# KiCad board !HDMI2USB.kicad_pcb (continued)
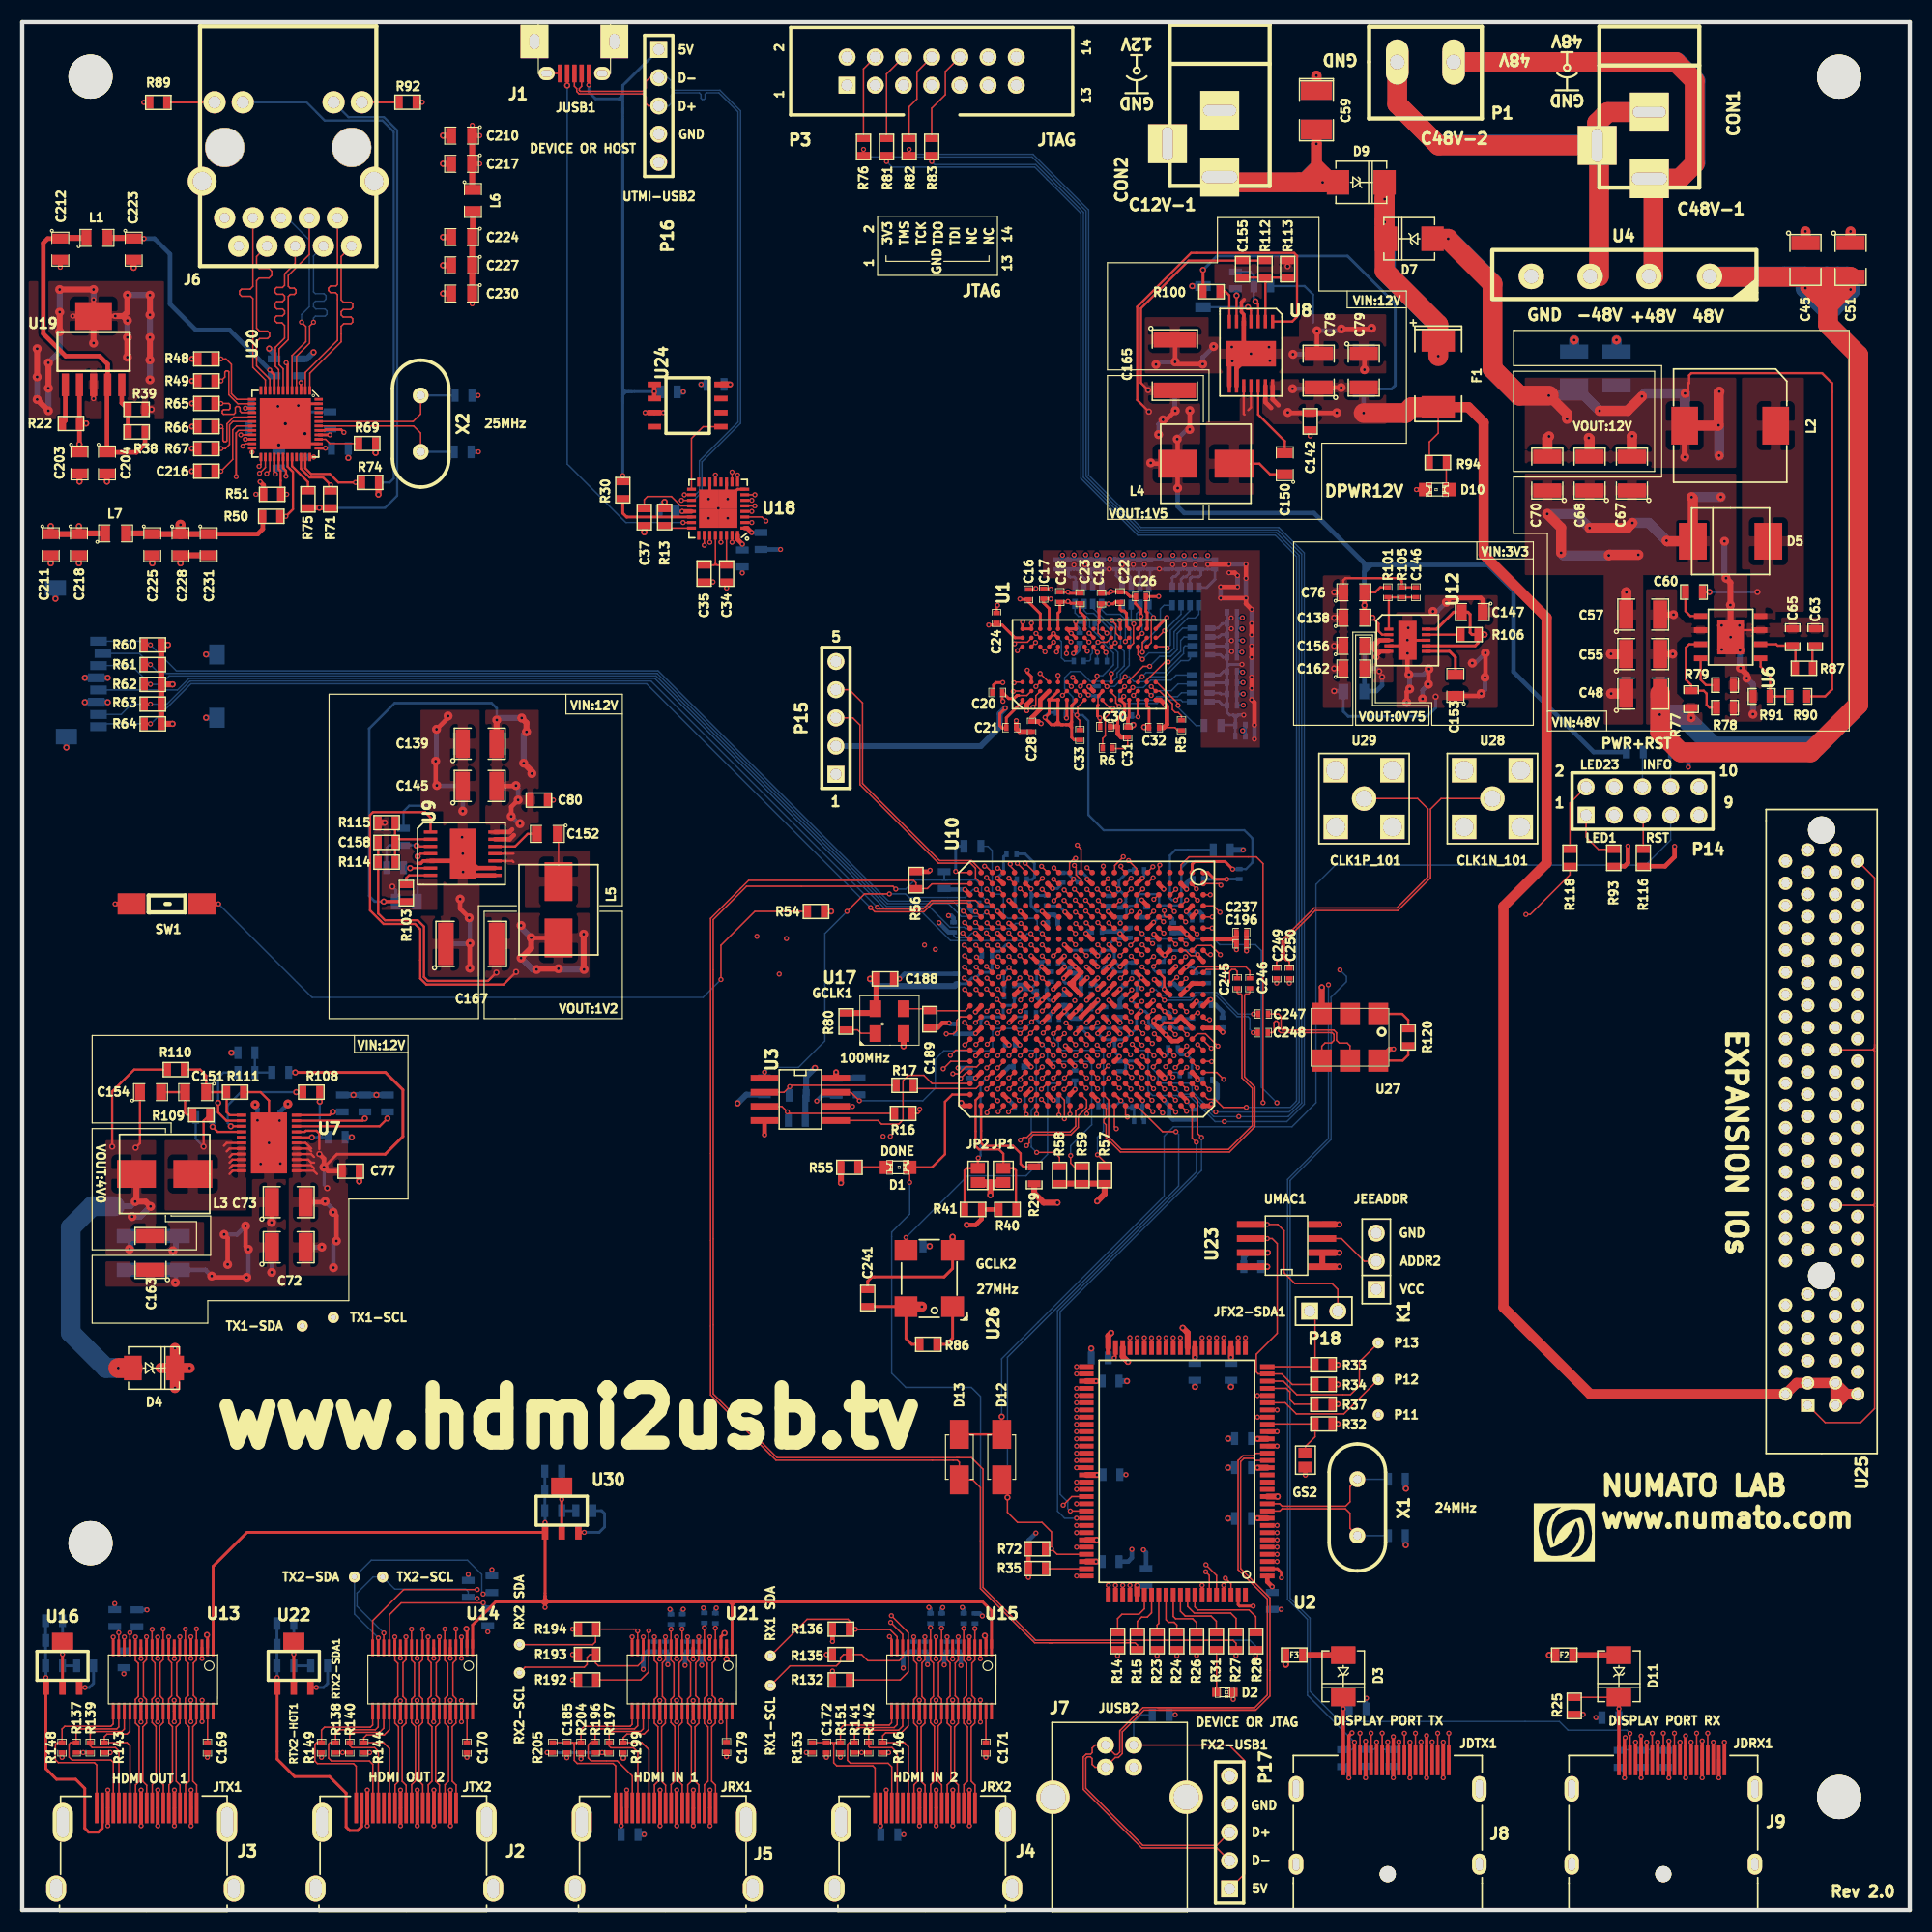
[diagram p0: board, top side]
## Routing (per net, layer and track width the routed paths; a pad name or vN(x,y) marks a point on that pad's centre or on a via; arc(x,y) is an arc through that point) (continued)
/HDMI/TMDS-RX2-1_P: length 125.3
  TOP w0.127: 60.94,17.89 60.94,16.81 60.6,16.47 60.6,11.58 60.94,11.24 60.94,9.49 ; 60.93,17.91 60.93,19.01 60.66,19.28 60.66,22.23 60.93,22.5 60.93,23.61 ; U10.N20 93.84,73.89 ; U21.7 v1(60.93,24.57)
  SIGNAL3-X w0.127: v1(93.83,73.89) 93.83,72.89 92.94,72 92.94,68.14 91.8,67 70.79,67 70.26,66.47 70.26,56.31 69.96,56.01 67.63,56.01 67.51,55.88 67.51,55.72 67.62,55.61 69.94,55.61 70.26,55.29 70.26,54.76 69.98,54.48 60.66,54.48 60.52,54.34 60.52,54.11 60.65,53.97 69.96,53.97 70.26,53.67 70.26,53.11 69.94,52.79 60.93,52.79 60.79,52.65 60.79,52.46 60.94,52.32 62.63,52.32 62.73,52.22 62.73,51.97 62.63,51.87 60.74,51.87 60.52,51.65 60.52,25.35 60.93,24.94 v1(60.93,24.57)
  BOTTOM w0.127: v1(60.93,24.57) 60.93,24.16
/HDMI/TMDS-RX2-2_N: length 125.3
  TOP w0.127: 61.44,9.49 61.44,11.26 61.76,11.58 61.76,16.47 61.43,16.81 61.43,17.9 ; 61.43,23.61 61.43,22.48 61.7,22.21 61.7,19.3 61.43,19.03 61.43,17.91 ; U21.6 61.43,25.4 ; U10.P22 v1(93.36,71.57)
  SIGNAL3-X w0.127: v1(93.37,71.57) 93.37,66.88 92.64,66.16 71.89,66.16 70.99,65.26 70.99,52.33 70.83,52.16 70.25,52.16 70.11,52.02 70.11,51.78 70.24,51.65 70.8,51.65 70.99,51.47 70.99,51.15 70.76,50.92 61.93,50.92 61.63,50.63 61.63,50.09 61.91,49.81 70.79,49.81 70.97,49.63 70.97,49.4 70.77,49.2 61.84,49.2 61.64,48.99 61.64,48.42 61.85,48.21 67.48,48.21 67.61,48.08 67.61,47.9 67.46,47.75 62.16,47.75 61.79,47.38 61.79,26.11 61.43,25.75 v1(61.43,25.4)
  BOTTOM w0.127: R198.2 61.43,25.83 v1(61.43,25.4)
/HDMI/TMDS-RX2-2_P: length 125.3
  TOP w0.127: 62.44,9.49 62.44,11.24 62.1,11.58 62.1,16.49 62.43,16.82 62.43,17.9 ; 62.43,17.91 62.43,19.03 62.16,19.29 62.16,22.23 62.43,22.5 62.43,23.61 ; U21.4 62.43,25.37 ; U10.P21 93.86,72.92 93.86,71.24
  SIGNAL3-X w0.127: v1(62.43,25.37) 62.43,25.68 62.02,26.09 62.02,47.29 62.26,47.52 67.62,47.52 67.84,47.74 67.84,48.23 67.61,48.46 61.99,48.46 61.87,48.59 61.87,48.84 61.98,48.96 70.86,48.96 71.2,49.3 71.2,49.73 70.89,50.04 62.06,50.04 61.86,50.24 61.86,50.53 62.02,50.69 70.93,50.69 71.22,50.98 71.22,65.16 71.99,65.93 92.74,65.93 93.86,67.05 93.86,69.73 ; 93.86,69.74 v1(93.86,71.24)
  BOTTOM w0.127: R188.1 62.43,25.79 v1(62.43,25.37)
/HDMI/TMDS-RX2-CEC: length 88.4
  TOP w0.127: R192.2 55.7,20.7 56.43,21.43 U21.16 56.43,25.13 ; U10.T22 91.36,71.66
  SIGNAL3-X w0.127: v1(91.36,71.66) 90.65,70.95 60.15,70.95 56.43,67.23 v1(56.43,25.13)
/HDMI/TMDS-RX2-CLK_N: length 125.3
  TOP w0.127: 56.94,9.49 56.94,11.25 57.26,11.56 57.26,16.49 56.93,16.81 56.93,17.9 ; 56.93,23.61 56.93,22.46 57.2,22.19 57.2,19.22 56.93,18.95 56.93,17.91 ; U10.L22 95.88,71.93 v1(95.88,71.68) ; U21.15 56.93,24.58
  SIGNAL3-X w0.127: v1(56.93,24.58) 56.93,24.98 57.3,25.35 57.3,63.72 57.59,64.02 65.1,64.02 65.23,64.15 65.23,64.36 65.08,64.52 57.6,64.52 57.3,64.82 57.3,67 60.73,70.43 91.5,70.43 92.24,71.16 92.24,74.26 92.28,74.31 92.28,75.15 92.6,75.46 93.43,75.46 93.57,75.6 96.79,75.6 97.36,75.03 97.36,73.77 96.99,73.4 96.48,73.4 95.88,72.8 v1(95.88,71.68)
  BOTTOM w0.127: 56.93,24.05 56.93,24.05 ; v1(56.93,24.58) R203.2
/HDMI/TMDS-RX2-CLK_P: length 125.2
  TOP w0.127: 57.94,9.49 57.94,11.21 57.59,11.57 57.59,16.47 57.93,16.81 57.93,17.9 ; 57.93,17.91 57.93,18.94 57.66,19.21 57.66,22.25 57.93,22.52 57.93,23.61 ; 96.38,74.41 v1(96.85,73.94) ; v1(57.93,24.58) U21.13
  SIGNAL3-X w0.127: v1(57.93,24.58) 57.93,24.97 57.53,25.37 57.53,63.6 57.71,63.78 66.23,63.78 66.51,64.07 66.51,64.46 66.22,64.75 57.74,64.75 57.53,64.96 57.53,66.9 60.82,70.2 62.63,70.2 62.86,69.96 62.86,69.48 63.04,69.31 63.22,69.31 63.39,69.48 63.39,70.01 63.55,70.17 63.79,70.17 63.95,70.01 63.95,69.48 64.11,69.33 64.31,69.33 64.46,69.48 64.46,70.03 64.63,70.2 91.6,70.2 92.47,71.07 92.47,74.12 92.71,74.36 93.19,74.36 93.45,74.62 93.45,75.15 93.67,75.37 96.22,75.37 96.35,75.24 96.35,74.45 v1(96.85,73.94)
  BOTTOM w0.127: 57.93,24.58 v1(57.93,24.58) 57.93,24.16 R191.1
/HDMI/TMDS-RX2-HOT: length 84.9
  TOP w0.127: v1(91.79,73.91) 92.3,74.41 ; U21.19 v1(54.93,24.58)
  SIGNAL3-X w0.127: v1(91.79,73.91) 91.43,73.91 90.97,74.37 87.69,74.37 87.37,74.04 87.37,73.51 85.5,71.64 70.08,71.64 69.39,72.33 68.53,72.33 67.84,71.64 59.86,71.64 54.93,66.71 v1(54.93,24.58)
/HDMI/TMDS-RX2-SCL: length 95.9
  TOP w0.127: P10.1 45.29,21.85 50.62,21.85 50.88,22.1 50.88,22.74 51.13,22.99 R193.2 51.64,22.23 51.89,21.97 55.45,21.97 55.93,22.46 U21.17 55.93,24.57 ; v1(90.86,72.95) 91.33,73.42
  SIGNAL3-X w0.127: v1(90.86,72.95) 89.09,71.18 60.05,71.18 55.93,67.06 v1(55.93,24.57)
/HDMI/TMDS-RX2-SDA: length 95.6
  TOP w0.127: U21.18 v1(55.43,25.11) 55.27,25.28 R194.2 51.64,24.13 51.38,23.88 P9.1 ; U10.R22 91.8,72.98
  SIGNAL3-X w0.127: 85.62,71.41 86.62,72.41 89.01,72.41 89.29,72.68 89.29,73.19 89.53,73.43 91.35,73.43 v1(91.8,72.98) ; 85.61,71.41 59.96,71.41 55.43,66.89 v1(55.43,25.11)
/HDMI/TMDS-TX1-0_N: length 125.3
  TOP w0.127: 11.71,9.49 11.71,11.27 12.05,11.61 12.05,16.51 11.7,16.86 11.7,17.9 ; 11.69,23.61 11.69,22.5 11.96,22.23 11.96,19.23 11.69,18.96 11.69,17.91 ; U13.12 v1(11.69,25.25) ; U10.Y12 v1(86.86,82.92)
  SIGNAL3-X w0.127: v1(11.69,25.25) 11.69,25.64 12.09,26.04 12.09,31.94 17.25,37.1 17.55,37.1 17.94,36.71 18.14,36.71 18.29,36.85 18.29,37.03 17.9,37.42 17.9,37.74 18.28,38.13 18.64,38.13 19.02,37.75 19.22,37.75 19.36,37.88 19.36,38.05 18.96,38.45 18.96,38.81 19.29,39.13 19.66,39.13 20.05,38.75 20.22,38.75 20.38,38.9 20.38,39.07 19.98,39.46 19.98,39.83 20.29,40.13 20.29,40.33 19.9,40.72 19.9,40.86 20.05,41.01 20.2,41.01 20.6,40.62 20.77,40.62 62.56,82.4 85.98,82.4 86.5,82.92 v1(86.86,82.92)
/HDMI/TMDS-TX1-0_P: length 125.3
  TOP w0.127: 12.71,9.49 12.71,11.25 12.38,11.58 12.38,16.55 12.7,16.87 12.7,17.9 ; 12.69,17.91 12.69,18.98 12.42,19.24 12.42,22.25 12.69,22.52 12.69,23.61 ; v1(12.69,25.29) 12.69,25.29 U13.10 ; U10.W12 87.87,82.91
  SIGNAL3-X w0.127: v1(87.87,82.92) 87.42,82.92 86.66,82.16 62.64,82.16 20.89,40.41 20.89,40.24 21.06,40.07 21.06,39.89 20.94,39.78 20.73,39.78 20.58,39.92 20.4,39.92 20.22,39.74 20.22,39.56 20.61,39.16 20.61,38.81 20.32,38.51 19.95,38.51 19.57,38.9 19.38,38.9 19.2,38.72 19.2,38.54 19.6,38.15 19.6,37.79 19.31,37.5 18.94,37.5 18.55,37.89 18.37,37.89 18.15,37.67 18.15,37.5 18.52,37.12 18.52,36.75 18.24,36.47 17.85,36.47 17.49,36.84 17.31,36.84 12.32,31.84 12.32,26.05 12.69,25.67 v1(12.69,25.29)
/HDMI/TMDS-TX1-1_N: length 125.2
  TOP w0.127: v1(84.87,84.89) 85.34,84.42 ; 13.21,9.49 13.21,11.25 13.54,11.58 13.54,16.49 13.21,16.81 13.21,17.89 ; 13.19,17.91 13.19,18.99 13.46,19.26 13.46,22.25 13.19,22.52 13.19,23.61 ; U13.9 v1(13.19,24.58)
  SIGNAL3-X w0.127: v1(84.87,84.89) 85.43,84.32 87.09,84.32 87.29,84.12 87.29,83.53 87.5,83.32 88.08,83.32 88.32,83.08 88.32,82.79 88.02,82.48 87.64,82.48 86.88,81.72 85,81.72 84.68,81.41 63.54,81.41 16.87,34.74 16.87,34.55 17.1,34.32 17.1,34.15 16.97,34.02 16.79,34.02 16.58,34.24 16.37,34.24 15.84,33.71 15.47,33.71 15.25,33.49 15.25,33.12 13.55,31.42 13.55,25.46 13.2,25.1 v1(13.2,24.58)
/HDMI/TMDS-TX1-1_P: length 125.2
  TOP w0.127: 86.36,84.45 v1(85.92,84.89) ; 14.21,17.89 14.21,16.81 13.87,16.47 13.87,11.58 14.21,11.24 14.21,9.49 ; 14.19,17.91 14.19,19.01 13.92,19.28 13.92,22.23 14.19,22.5 14.19,23.61 ; U13.7 14.2,24.58
  SIGNAL3-X w0.127: v1(85.92,84.89) 86.27,84.55 87.18,84.55 87.52,84.21 87.52,83.71 87.68,83.55 88.18,83.55 88.56,83.18 88.56,82.05 88,81.49 85.09,81.49 84.78,81.18 63.64,81.18 17.99,35.53 17.99,35.35 18.22,35.12 18.22,34.96 18.1,34.85 17.96,34.85 17.74,35.07 17.52,35.07 17.17,34.71 17.17,34.57 17.33,34.42 17.33,34.05 17.07,33.79 16.7,33.79 16.55,33.93 16.39,33.93 13.78,31.32 13.78,25.48 14.2,25.06 v1(14.2,24.58)
/HDMI/TMDS-TX1-2_N: length 125.3
  TOP w0.127: 14.71,9.49 14.71,11.26 15.03,11.58 15.03,16.47 14.7,16.81 14.7,17.9 ; 14.69,23.61 14.69,22.48 14.96,22.21 14.96,19.3 14.69,19.03 14.69,17.91 ; v1(14.7,25.28) 14.69,25.28 U13.6 ; U10.AB9 v1(84.87,85.91)
  SIGNAL3-X w0.127: v1(84.87,85.91) 85.42,85.36 87.11,85.36 87.44,85.03 87.44,84.73 87.67,84.5 88.11,84.5 88.46,84.15 88.46,83.74 89.04,83.15 89.04,81.71 88.43,81.1 88.43,80.84 88.04,80.44 85.36,80.44 85.16,80.64 64.79,80.64 15.08,30.93 15.08,26.05 14.7,25.66 v1(14.7,25.28)
/HDMI/TMDS-TX1-2_P: length 125.2
  TOP w0.127: 15.71,9.49 15.71,11.24 15.37,11.58 15.37,16.49 15.7,16.82 15.7,17.9 ; 15.69,17.91 15.69,19.03 15.42,19.29 15.42,22.23 15.69,22.5 15.69,23.61 ; v1(15.69,25.3) 15.69,25.3 U13.4 ; U10.Y9 87.86,84.91
  SIGNAL3-X w0.127: v1(87.86,84.91) 88.23,84.91 88.71,84.43 89.05,84.43 89.28,84.2 89.28,80.59 89.1,80.41 88.71,80.41 88.41,80.12 88.41,79.67 88.22,79.48 84.74,79.48 83.81,80.41 64.88,80.41 15.31,30.84 15.31,28.35 15.5,28.16 16.15,28.16 16.29,28.02 16.29,27.82 16.14,27.67 15.5,27.67 15.31,27.48 15.31,26.02 15.69,25.64 v1(15.69,25.3)
/HDMI/TMDS-TX1-CEC: length 118.1
  TOP w0.127: 88.36,84.41 v1(87.95,84) ; U13.16 9.69,24.95
  SIGNAL2-Y w0.127: v1(87.95,84) 87.48,84 87.31,84.17 87.31,85.88 86.8,86.39 82.34,86.39 v1(82.24,86.49)
  SIGNAL3-X w0.127: v1(82.24,86.49) 54.94,86.49 53.67,85.22 53.67,76.91 9.69,32.94 v1(9.69,24.95)
  BOTTOM w0.127: R127.2 10.23,25.49 v1(9.69,24.95)
/HDMI/TMDS-TX1-CLK_N: length 125.3
  TOP w0.127: v1(84.84,83.91) 85.33,83.42 U10.AB11 ; 10.21,9.49 10.21,11.25 10.53,11.56 10.53,16.49 10.2,16.81 10.2,17.9 ; 10.19,23.61 10.19,22.46 10.46,22.19 10.46,19.22 10.19,18.95 10.19,17.91 ; U13.15 v1(10.19,24.57)
  SIGNAL3-X w0.127: 10.19,24.57 10.19,24.99 10.55,25.34 10.55,32.4 59.92,81.77 59.92,82.3 59.8,82.42 58.65,82.42 58.4,82.67 58.4,83.05 58.68,83.33 82.41,83.33 82.61,83.53 82.61,84.3 82.75,84.44 82.95,84.44 83.11,84.28 83.11,83.52 83.3,83.33 84,83.33 84.58,83.91 v1(84.84,83.91)
/HDMI/TMDS-TX1-CLK_P: length 125.2
  TOP w0.127: 87.36,83.42 v1(86.88,83.9) ; 11.21,9.49 11.21,11.21 10.86,11.57 10.86,16.47 11.2,16.81 11.2,17.9 ; 11.19,17.91 11.19,18.94 10.92,19.21 10.92,22.25 11.19,22.52 11.19,23.61 ; v1(11.19,24.58) U13.13
  SIGNAL3-X w0.127: v1(11.19,24.58) 11.19,24.93 10.78,25.35 10.78,32.3 60.16,81.68 60.16,82.44 59.95,82.65 58.76,82.65 58.63,82.78 58.63,82.95 58.77,83.1 84.09,83.1 84.47,83.48 86.01,83.48 86.44,83.9 v1(86.88,83.9)
/HDMI/TMDS-TX1-HOT: length 115.1
  TOP w0.127: v1(84.71,87.96) 85.25,87.42 U10.AB7 ; v1(8.19,24.56) U13.19
  SIGNAL2-Y w0.127: v1(66.17,87.67) 66.46,87.96 v1(84.71,87.96)
  SIGNAL3-X w0.127: v1(66.17,87.67) 65.85,87.35 54.76,87.35 52.97,85.56 52.97,80.65 26.79,54.47 25.11,54.47 9,38.37 9,25.87 8.19,25.06 v1(8.19,24.56)
/HDMI/TMDS-TX1-SCL: length 117.5
  TOP w0.127: 87.36,87.45 v1(86.84,87.97) ; v1(9.19,24.57) 9.19,23.6
  SIGNAL2-Y w0.127: v1(86.84,87.97) 86.51,87.97 85.89,87.35 83.98,87.35 83.52,86.89 v1(81.26,86.89)
  SIGNAL3-X w0.127: 81.26,86.89 55,86.89 53.43,85.32 53.43,78.76 P6.1 25.98,51.31 24.28,51.31 9.46,36.5 9.46,25.39 9.19,25.12 v1(9.19,24.57)
  BOTTOM w0.127: R134.2 9.16,24.53
/HDMI/TMDS-TX1-SDA: length 117.3
  TOP w0.127: 87.36,84.44 v1(86.85,84.96) ; U13.18 8.69,24.95
  SIGNAL2-Y w0.127: v1(86.85,84.96) 86.44,85.36 78.87,85.36 76.77,87.47 v1(68.83,87.47)
  SIGNAL3-X w0.127: v1(68.83,87.47) 68.48,87.12 54.86,87.12 53.2,85.46 53.2,80.56 P5.1 9.23,36.59 9.23,25.49 v1(8.69,24.95)
  BOTTOM w0.127: v1(8.69,24.95) 8.69,25.15 R130.2
/HDMI/TMDS-TX2-0_N: length 124.9
  TOP w0.127: 85.36,79.43 v1(84.87,79.93) ; U14.27 35.06,16.86 35.41,16.51 35.41,11.61 35.08,11.27 35.08,9.49 ; 35.06,17.91 35.06,18.96 35.33,19.23 35.33,22.23 35.06,22.5 35.06,23.61 ; U14.12 v1(35.06,25.28)
  SIGNAL1-X w0.127: v1(84.87,79.93) 84.45,80.34 79.79,80.34 76.12,76.68 53.14,76.68 52.27,75.8 52.27,47.42 52.1,47.26 51.21,47.26 51.1,47.15 51.1,46.98 51.22,46.86 52.11,46.86 52.27,46.7 52.27,46.5 52.09,46.31 48.45,46.31 48.17,46.04 48.17,45.68 48.45,45.4 52.14,45.4 52.27,45.27 52.27,45.09 52.12,44.94 42.02,44.94 35.42,38.33 35.42,26.16 35.06,25.8 v1(35.06,25.28)
/HDMI/TMDS-TX2-0_P: length 124.8
  TOP w0.127: 87.34,79.42 v1(86.86,79.89) ; U14.29 36.06,16.87 35.75,16.55 35.75,11.58 36.08,11.25 36.08,9.49 ; 36.06,23.61 36.06,22.52 35.79,22.25 35.79,19.24 36.06,18.98 36.06,17.91 ; U14.10 36.06,25.27
  SIGNAL1-X w0.127: v1(86.86,79.89) 86.58,79.89 86.1,79.41 82.91,79.41 82.21,80.11 79.88,80.11 76.22,76.44 53.26,76.44 52.5,75.68 52.5,46.32 52.26,46.08 48.55,46.08 48.4,45.94 48.4,45.77 48.55,45.63 52.23,45.63 52.51,45.36 52.51,44.99 52.23,44.71 42.14,44.71 35.65,38.22 35.65,26.19 36.06,25.77 v1(36.06,25.27)
/HDMI/TMDS-TX2-1_N: length 125
  TOP w0.127: v1(84.89,77.89) 85.36,78.37 U10.AB16 ; 36.57,17.89 36.57,16.81 36.9,16.49 36.9,11.58 36.57,11.25 36.57,9.49 ; 36.56,23.61 36.56,22.52 36.83,22.25 36.83,19.26 36.56,18.99 36.56,17.91 ; U14.9 v1(36.56,24.58)
  SIGNAL1-X w0.127: v1(84.89,77.89) 81.07,77.89 78.21,75.03 54.65,75.03 53.74,74.13 53.74,43.83 53.61,43.7 53.29,43.7 53.18,43.59 53.18,43.42 53.29,43.32 53.61,43.32 53.74,43.19 53.74,43 53.57,42.82 47.73,42.82 47.49,42.58 47.49,42.2 47.73,41.95 53.6,41.95 53.74,41.81 53.74,41.62 53.6,41.48 42.65,41.48 36.9,35.73 36.9,25.27 36.56,24.94 v1(36.56,24.58)
/HDMI/TMDS-TX2-1_P: length 124.9
  TOP w0.127: 86.36,78.4 v1(85.89,77.93) ; 37.57,9.49 37.57,11.24 37.23,11.58 37.23,16.47 37.57,16.81 37.57,17.89 ; 37.56,23.61 37.56,22.5 37.29,22.23 37.29,19.28 37.56,19.01 37.56,17.91 ; U14.7 v1(37.56,24.58)
  SIGNAL1-X w0.127: v1(85.89,77.93) 85.41,77.45 80.96,77.45 78.31,74.8 54.75,74.8 53.97,74.03 53.97,42.86 53.71,42.59 47.82,42.59 47.72,42.49 47.72,42.3 47.83,42.18 53.7,42.18 53.97,41.91 53.97,41.52 53.71,41.25 42.75,41.25 37.14,35.65 37.14,25.29 37.56,24.86 v1(37.56,24.58)
/HDMI/TMDS-TX2-2_N: length 123.2
  TOP w0.127: U14.33 38.06,16.81 38.4,16.47 38.4,11.58 38.08,11.26 38.08,9.49 ; 38.06,17.91 38.06,19.03 38.33,19.3 38.33,22.21 38.06,22.48 38.06,23.61 ; U14.6 v1(38.06,25.29) ; U10.U13 v1(89.87,80.91)
  SIGNAL1-X w0.127: v1(89.86,80.91) 89.38,80.43 87.63,80.43 87.38,80.18 87.38,76.74 87.12,76.48 81.62,76.48 78.68,73.54 56.25,73.54 55.34,72.64 55.34,39.81 55.19,39.65 53.22,39.65 53.03,39.46 53.03,38.86 53.22,38.67 55.13,38.67 55.27,38.54 55.27,38.3 55.13,38.17 42.15,38.17 38.46,34.48 38.46,26.19 38.06,25.79 v1(38.06,25.29)
/HDMI/TMDS-TX2-2_P: length 123
  TOP w0.127: U14.35 39.06,16.82 38.73,16.49 38.73,11.58 39.08,11.24 39.08,9.49 ; 39.06,23.61 39.06,22.5 38.79,22.23 38.79,19.29 39.06,19.03 39.06,17.91 ; U14.4 39.06,25.29 ; U10.U14 v1(89.87,79.92)
  SIGNAL1-X w0.127: v1(89.87,79.92) 89.44,79.49 88.64,79.49 88.33,79.17 88.33,76.64 87.91,76.23 81.69,76.23 78.77,73.31 56.41,73.31 55.58,72.48 55.58,40.84 55.74,40.68 56.16,40.68 56.28,40.56 56.28,40.35 56.17,40.24 55.75,40.24 55.58,40.07 55.58,39.65 55.35,39.42 53.38,39.42 53.26,39.3 53.26,39.02 53.38,38.91 55.25,38.91 55.52,38.64 55.52,38.23 55.23,37.94 42.26,37.94 38.69,34.37 38.69,26.19 39.06,25.82 v1(39.06,25.29)
/HDMI/TMDS-TX2-CEC: length 94.2
  TOP w0.127: v1(41.52,27.64) 34.14,27.64 33.06,26.56 U14.16 ; v1(83.81,75.29) 84.35,75.29 84.97,75.91 85.96,75.91 86.36,76.32 U10.AA18
  SIGNAL1-X w0.127: v1(83.81,75.29) 82.74,74.22 82.74,72.97 78.43,68.65 65.18,68.65 59.78,63.26 59.78,36.37 51.05,27.64 v1(41.52,27.64)
  BOTTOM w0.127: R126.2 41.93,27.23 v1(41.52,27.64)
/HDMI/TMDS-TX2-CLK_N: length 124.9
  TOP w0.127: v1(89.91,81.94) 90.35,82.38 ; U14.24 33.56,16.81 33.89,16.49 33.89,11.56 33.58,11.25 33.58,9.49 ; 33.56,17.91 33.56,18.95 33.83,19.22 33.83,22.19 33.56,22.46 33.56,23.61 ; U14.15 v1(33.56,24.57)
  SIGNAL1-X w0.127: v1(33.56,24.57) 33.56,24.95 33.92,25.31 33.92,40.49 41.84,48.42 50.8,48.42 51,48.61 51,48.84 50.81,49.03 49.59,49.03 49.31,49.31 49.31,49.75 49.57,50.01 50.82,50.01 51,50.19 51,77.06 51.92,77.99 75.84,77.99 79.43,81.58 89.55,81.58 v1(89.91,81.94)
/HDMI/TMDS-TX2-CLK_P: length 124.9
  TOP w0.127: v1(90.91,81.94) 91.36,82.39 U10.T12 ; U14.26 34.56,16.81 34.22,16.47 34.22,11.57 34.58,11.21 34.58,9.49 ; 34.56,23.61 34.56,22.52 34.29,22.25 34.29,19.21 34.56,18.94 34.56,17.91 ; U14.13 34.56,24.58
  SIGNAL1-X w0.127: v1(34.56,24.58) 34.56,24.9 34.15,25.31 34.15,40.39 41.94,48.18 50.89,48.18 51.23,48.52 51.23,48.94 50.91,49.26 50.07,49.26 49.95,49.38 49.95,49.65 50.08,49.78 50.93,49.78 51.23,50.07 51.23,76.91 52.07,77.75 75.93,77.75 79.53,81.35 90.32,81.35 v1(90.91,81.94)
/HDMI/TMDS-TX2-HOT: length 92.8
  TOP w0.127: v1(40.99,28.84) 34.36,28.84 31.56,26.04 U14.19 ; v1(82.95,75.74) 83.62,76.42 U10.AB18
  SIGNAL1-X w0.127: v1(82.95,75.74) 76.58,69.37 64.9,69.37 59.09,63.56 59.09,36.74 51.19,28.84 v1(40.99,28.84)
/HDMI/TMDS-TX2-SCL: length 103.4
  TOP w0.127: U10.Y17 v1(86.86,76.91) ; U14.17 32.56,24.92
  SIGNAL1-X w0.127: v1(78.19,69.66) 77.41,68.88 65.08,68.88 59.55,63.35 59.55,36.49 51.1,28.04 v1(40.98,28.04)
  SIGNAL2-Y w0.127: v1(86.86,76.91) 86.45,76.51 81.03,76.51 78.19,73.67 v1(78.19,69.66)
  BOTTOM w0.127: v1(32.57,24.93) 30.15,27.34 30.15,28.52 31.61,29.97 P4.1 33.56,28.88 39.94,28.88 40.17,28.64 R129.2 40.88,28.14 v1(40.98,28.04)
/HDMI/TMDS-TX2-SDA: length 104.6
  TOP w0.127: v1(83.59,76.95) 84.06,77.42 U10.AB17 ; U14.18 32.06,24.47
  SIGNAL1-X w0.127: 70,69.14 65.01,69.14 59.32,63.45 59.32,36.62 51.14,28.44 v1(41.51,28.44) ; 70,69.14 70,69.14 ; 70,69.14 77.02,69.14 v1(77.53,69.65)
  SIGNAL2-Y w0.127: v1(83.59,76.95) 81.14,76.95 77.53,73.34 v1(77.53,69.65)
  BOTTOM w0.127: v1(41.51,28.44) 41.51,28.43 41.5,28.43 ; v1(41.51,28.44) 41.39,28.56 41.39,30.2 40.11,31.49 31.43,31.49 P2.1 29.92,26.63 v1(32.07,24.48) ; v1(41.51,28.44) 41.64,28.57 R133.2
/Power/Conference 12V: length 122.4
  TOP w0.203: 150.05,136.33 150.05,137.49 150.13,137.49 150.13,138.19 150.33,138.39 162.1,138.39 163.01,137.48 163.01,109.92 162.37,109.28 R90.2
  TOP w0.533: v2(149.74,130.84) 149.73,130.85 L2.2
  TOP w0.914: v2(152.85,136.73) 152.78,136.66 v2(152.78,133.7) 152.75,133.67 L2.2 ; v2(145,132.72) 144.97,132.69 C67.2 ; v2(137.51,132.7) 137.35,132.54 C70.2 ; v2(141.09,132.56) 141.16,132.49 C68.2 ; v2(145.87,136.3) 144.58,135 v2(142.06,135) ; v2(137.49,136.37) 139.13,134.73 v2(139.13,134.28)
  TOP w1.778: 128.67,150.19 132.42,146.44 132.42,138.8 134.84,136.37 v2(137.49,136.37) ; D7.1 v2(128.43,150.5)
  BOTTOM w0.914: v2(152.78,133.7) 152.83,133.65 v2(152.83,130.97) ; v2(145,132.72) 144.98,132.72 ; v2(145.87,136.3) 146.14,136.56 v2(149.76,136.56) 149.75,136.56 149.75,134.31 ; v2(142.06,135) 140.69,136.37 v2(137.49,136.37)
  BOTTOM w1.778: v2(137.49,136.37) 134.83,136.37 132.41,138.79 132.41,146.52 v2(128.43,150.5) D7.1
/Power/Consumer 12V: length 47.5
  TOP w0.914: v2(117.12,155.58) 116.56,156.13 v2(116.56,159.05) ; 115,155.58 116.56,157.14 v2(116.56,159.05) ; 118.32,155.58 116.56,157.34 v2(116.56,159.05) ; v2(116.56,159.05) C59.2
  TOP w1.778: 108.33,155.58 v2(117.12,155.58) 118.32,155.58
  BOTTOM w0.914: v2(116.56,159.05) C61.2 ; v2(116.56,159.05) 116.56,157.11 118.09,155.58 118.32,155.58 ; v2(116.56,159.05) 116.56,156.13 ; v2(116.56,159.05) 116.56,157.2 114.94,155.58 ; 116.56,156.13 v2(117.12,155.58) 116.56,156.13
  BOTTOM w1.778: 108.33,155.58 v2(117.12,155.58) 118.32,155.58
/SPI_Flash/27MHz: length 26.4
  TOP w0.127: U10.N19 v1(93.87,74.92) ; U26.3 v1(79.59,60.55)
  BOTTOM w0.127: C244.2 79.6,60.54 v1(79.59,60.55) 85.15,66.1 90.41,66.1 92.34,68.04 92.34,74.13 92.65,74.44 93.39,74.44 v1(93.87,74.92)
/SPI_Flash/RST: length 107.2
  TOP w0.127: v3(88.21,44.41) 88.21,42.83 D12.2
  TOP w0.203: D13.2 D12.2
  BOTTOM w0.127: P14.7 148.47,96.35 146.2,94.08 118.26,94.08 116.52,92.34 116.52,72.69 114.35,70.52 103.69,70.52 102.84,69.68 102.84,64.26 88.21,49.62 v3(88.21,44.41)
/SPI_Flash/TDO-FPGA/TDO-JTAG: length 201.6
  TOP w0.127: v1(99.97,77.95) 100.37,77.55 U10.G17 ; R14.2 98.65,22.89 ; R82.2 v1(79.88,158.54)
  SIGNAL1-X w0.127: v1(108.26,70.99) 110.07,69.18 110.07,53.01 113.89,49.19 113.89,25.54 112.51,24.16 99.41,24.16 98.65,23.41 v1(98.65,22.89)
  BOTTOM w0.127: v1(79.88,158.54) 79.88,158.36 80.13,158.11 91.04,158.11 96.04,153.11 96.04,129.21 100.76,124.49 113.17,124.49 115.46,122.2 115.46,72.56 113.9,70.99 v1(108.26,70.99) 107.43,70.99 105.2,73.22 104.14,73.22 104.03,73.33 101.81,73.33 101.4,73.75 101.4,77.11 101.1,77.41 100.51,77.41 v1(99.97,77.95)
/SPI_Flash/TDO-USB/TDI-FPGA: length 191.8
  TOP w0.127: R83.2 v1(81.91,157.46) ; R23.2 102.21,22.89 ; U10.E18 101.86,75.92
  SIGNAL1-X w0.127: v1(107.49,71.85) 108.5,71.85 110.3,70.06 110.3,53.1 114.12,49.28 114.12,25.45 112.6,23.93 102.73,23.93 102.21,23.41 v1(102.21,22.89)
  BOTTOM w0.127: v1(81.91,157.46) 82.18,157.18 91.28,157.18 95.58,152.89 95.58,129.01 100.56,124.03 112.95,124.03 115,121.98 115,72.75 114.11,71.85 v1(107.49,71.85) 107.22,71.85 105.36,73.71 105.36,74.17 105.08,74.45 102.52,74.45 102.3,74.67 102.3,75.26 101.86,75.69 v1(101.86,75.92)
/USB/CPEN: length 7.7
  TOP w0.127: U24.5 61.33,133.57 60.28,132.52 U18.17
/USB/CYDN: length 73.6
  TOP w0.127: P17.2 107.59,5.57 100.84,5.57 95.56,10.85 95.56,13.75 95.82,14.01 96.23,14.01 96.37,14.16 96.37,14.57 96.63,14.84 J7.2 98.42,13.98 98.62,13.98 98.85,14.2 98.85,16.12 100.94,18.22 110.94,18.22 ; 110.94,18.22 111.01,18.22 112.14,19.35 112.14,28 109.5,30.64 109.5,40.45 109.93,40.89 110.87,40.89 111.09,41.12 U2.18 ; 110.94,18.22 102.22,18.22
/USB/CYDP: length 73
  TOP w0.127: 111.1,17.99 111.1,17.99 112.37,19.26 112.37,28.09 109.73,30.73 109.73,40.36 110.03,40.66 110.87,40.66 111.06,40.47 U2.17 ; 111.1,17.99 102.31,17.99 ; 111.1,17.99 101.04,17.99 99.08,16.03 99.08,14.07 98.73,13.72 98.45,13.72 J7.3 96.62,12.84 96.36,13.1 96.36,13.62 96.2,13.78 95.93,13.78 95.79,13.64 95.79,10.95 100.93,5.81 107.58,5.81 P17.3
/USB/ID: length 48.5
  TOP w0.127: U18.23 v1(59.52,124.94)
  TOP w0.203: J1.4 v3(49.08,164.3)
  BOTTOM w0.127: v1(59.52,124.94) 54.36,124.94 49.08,130.22 v3(49.08,164.3)
/USB/U1-SDA: length 9.4
  TOP w0.127: P18.1 116.43,53.44 R33.1 116.26,48.92 U2.30
/USB/USB_5V: length 78
  TOP w0.127: v1(56.93,136.73) 56.93,136.73 ; 56.93,136.73 U24.2 56.93,136.11 ; 56.93,136.73 U24.1 56.93,137.38
  TOP w0.254: R30.2 v1(54.09,129.16) ; J1.1 v1(51.03,164.35)
  TOP w0.406: 56.93,137.38 v1(56.93,136.73) 56.93,136.11
  BOTTOM w0.127: 57.45,136.73 C240.1
  BOTTOM w0.254: v1(56.93,136.73) 54.9,136.73 ; 54.09,136.95 54.09,136.96 ; 54.09,136.95 54.32,136.73 54.61,136.73 ; 54.09,136.95 54.09,136.43 ; 54.09,136.96 54.09,161.29 ; 54.09,136.96 54.09,161.29 54.09,161.29 ; 54.09,135.79 v1(54.09,129.16) ; 54.09,135.79 54.09,136.43 ; 54.09,135.79 54.09,136.23 ; 54.59,136.73 54.9,136.73 ; 54.9,136.73 54.61,136.73 ; 54.09,136.43 54.39,136.73 54.61,136.73 ; 54.09,161.29 54.09,162.22 ; P16.1 54.09,164.3 54.09,163.44 ; 54.09,162.22 54.09,162.9 ; 54.09,162.22 54.09,161.78 ; 54.09,162.9 53.89,163.1 53.74,163.1 ; 54.09,162.9 54.09,163.44 ; 53.74,163.1 51.64,163.1 51.03,163.71 v1(51.03,164.35) ; 53.74,163.1 54.09,163.44
  BOTTOM w0.533: v1(56.93,136.73) 57.45,136.73
/USB/USB_DM: length 57.4
  TOP w0.127: P16.2 56.51,165 56.19,164.68 56.19,164.08 55.88,163.78 50.26,163.78 50.17,163.86 50.17,164.02 50.38,164.23 J1.2 ; U18.19 59.38,126.94
  BOTTOM w0.127: P16.2 58.15,165 58.44,164.71 58.44,164.1 58.67,163.88 62.84,163.88 64.7,162.02 64.7,133.88 61.22,130.4 61.22,127.71 60.45,126.94 v1(59.37,126.94)
/USB/USB_DP: length 57.3
  TOP w0.127: J1.3 49.73,164.23 49.94,164.02 49.94,163.76 50.16,163.55 55.88,163.55 56.18,163.24 56.18,162.67 56.39,162.46 P16.3 ; U18.18 59.63,127.44
  BOTTOM w0.127: P16.3 58.22,162.46 58.44,162.68 58.44,163.39 58.7,163.65 60.98,163.65 61.13,163.49 61.13,163.15 61.24,163.04 61.4,163.04 61.51,163.15 61.51,163.51 61.65,163.65 62.75,163.65 64.47,161.92 64.47,133.98 60.99,130.5 60.99,127.8 60.63,127.44 v1(59.63,127.44)
/USB/XTALIN: length 12.8
  TOP w0.127: X1.2 119.58,38.12 119.58,36.75 119.19,36.35 113.46,36.35 113.25,36.57 U2.11
  BOTTOM w0.127: X1.2 C62.2
/USB/XTALIOUT: length 12.8
  TOP w0.127: X1.1 119.58,34.36 119.58,35.71 119.17,36.12 113.47,36.12 113.26,35.92 U2.10
  BOTTOM w0.127: X1.1 C64.1
N-00000177: length 3.9
  TOP w0.127: v1(96.88,114.17) 96.89,114.16 97.68,114.16 U1.L8
  BOTTOM w0.127: v1(96.88,114.17) 96.38,113.67 96.38,113.17 96.22,113.01 96.22,112.59 96.1,112.47 R12.1
N-00000178: length 2.6
  TOP w0.127: 98.8,108.39 98.49,108.69 98.49,109.22 98.09,109.63 U1.L2 ; 98.8,108.39 98.77,108.41 ; 98.8,108.39 v1(98.79,108.38)
  BOTTOM w0.127: v1(98.79,108.38) 98.8,108.38 98.8,107.79 R11.2
N-00000189: length 2.6
  TOP w0.203: D1.1 R55.1
N-00000192: length 2.8
  TOP w0.127: U17.1 76.74,78.94 75.54,78.94 75.24,79.25 R80.2
N-00000193: length 12.8
  TOP w0.127: R17.1 69.05,71.72 v1(68.91,71.86) 68.42,72.35 U3.3
  BOTTOM w0.127: v1(68.91,71.86) 69,71.77 R20.2
N-00000194: length 8.4
  TOP w0.127: P3.10 83.14,165.55 83.14,163.47 81.91,162.25 R83.1
N-00000195: length 8.2
  TOP w0.127: P3.8 80.58,165.53 80.58,163.08 79.88,162.38 R82.1
N-00000196: length 8
  TOP w0.127: P3.6 77.85,165.34 R81.1
N-00000197: length 7.8
  TOP w0.127: P3.4 75.77,165.8 R76.1
N-00000198: length 12.9
  TOP w0.127: R16.1 69.25,74.25 v1(69.12,74.13) 68.62,73.62 U3.2
  BOTTOM w0.127: v1(69.12,74.13) 69.08,74.09 R19.2